# Altium PCB Driver_BLDC.PcbDoc (part 2 of 3)
Units mm, origin at the board's own origin, x right, y up, seen from the top; angles counter-clockwise.
Board outline 200.2 x 290.2 mm, 2 copper layers (Top Layer, Bottom Layer), stack 1.371 mm thick; 324 components, 136 nets, 859 pads, 323 vias.
Unrouted connection lines stored in the file: 128.
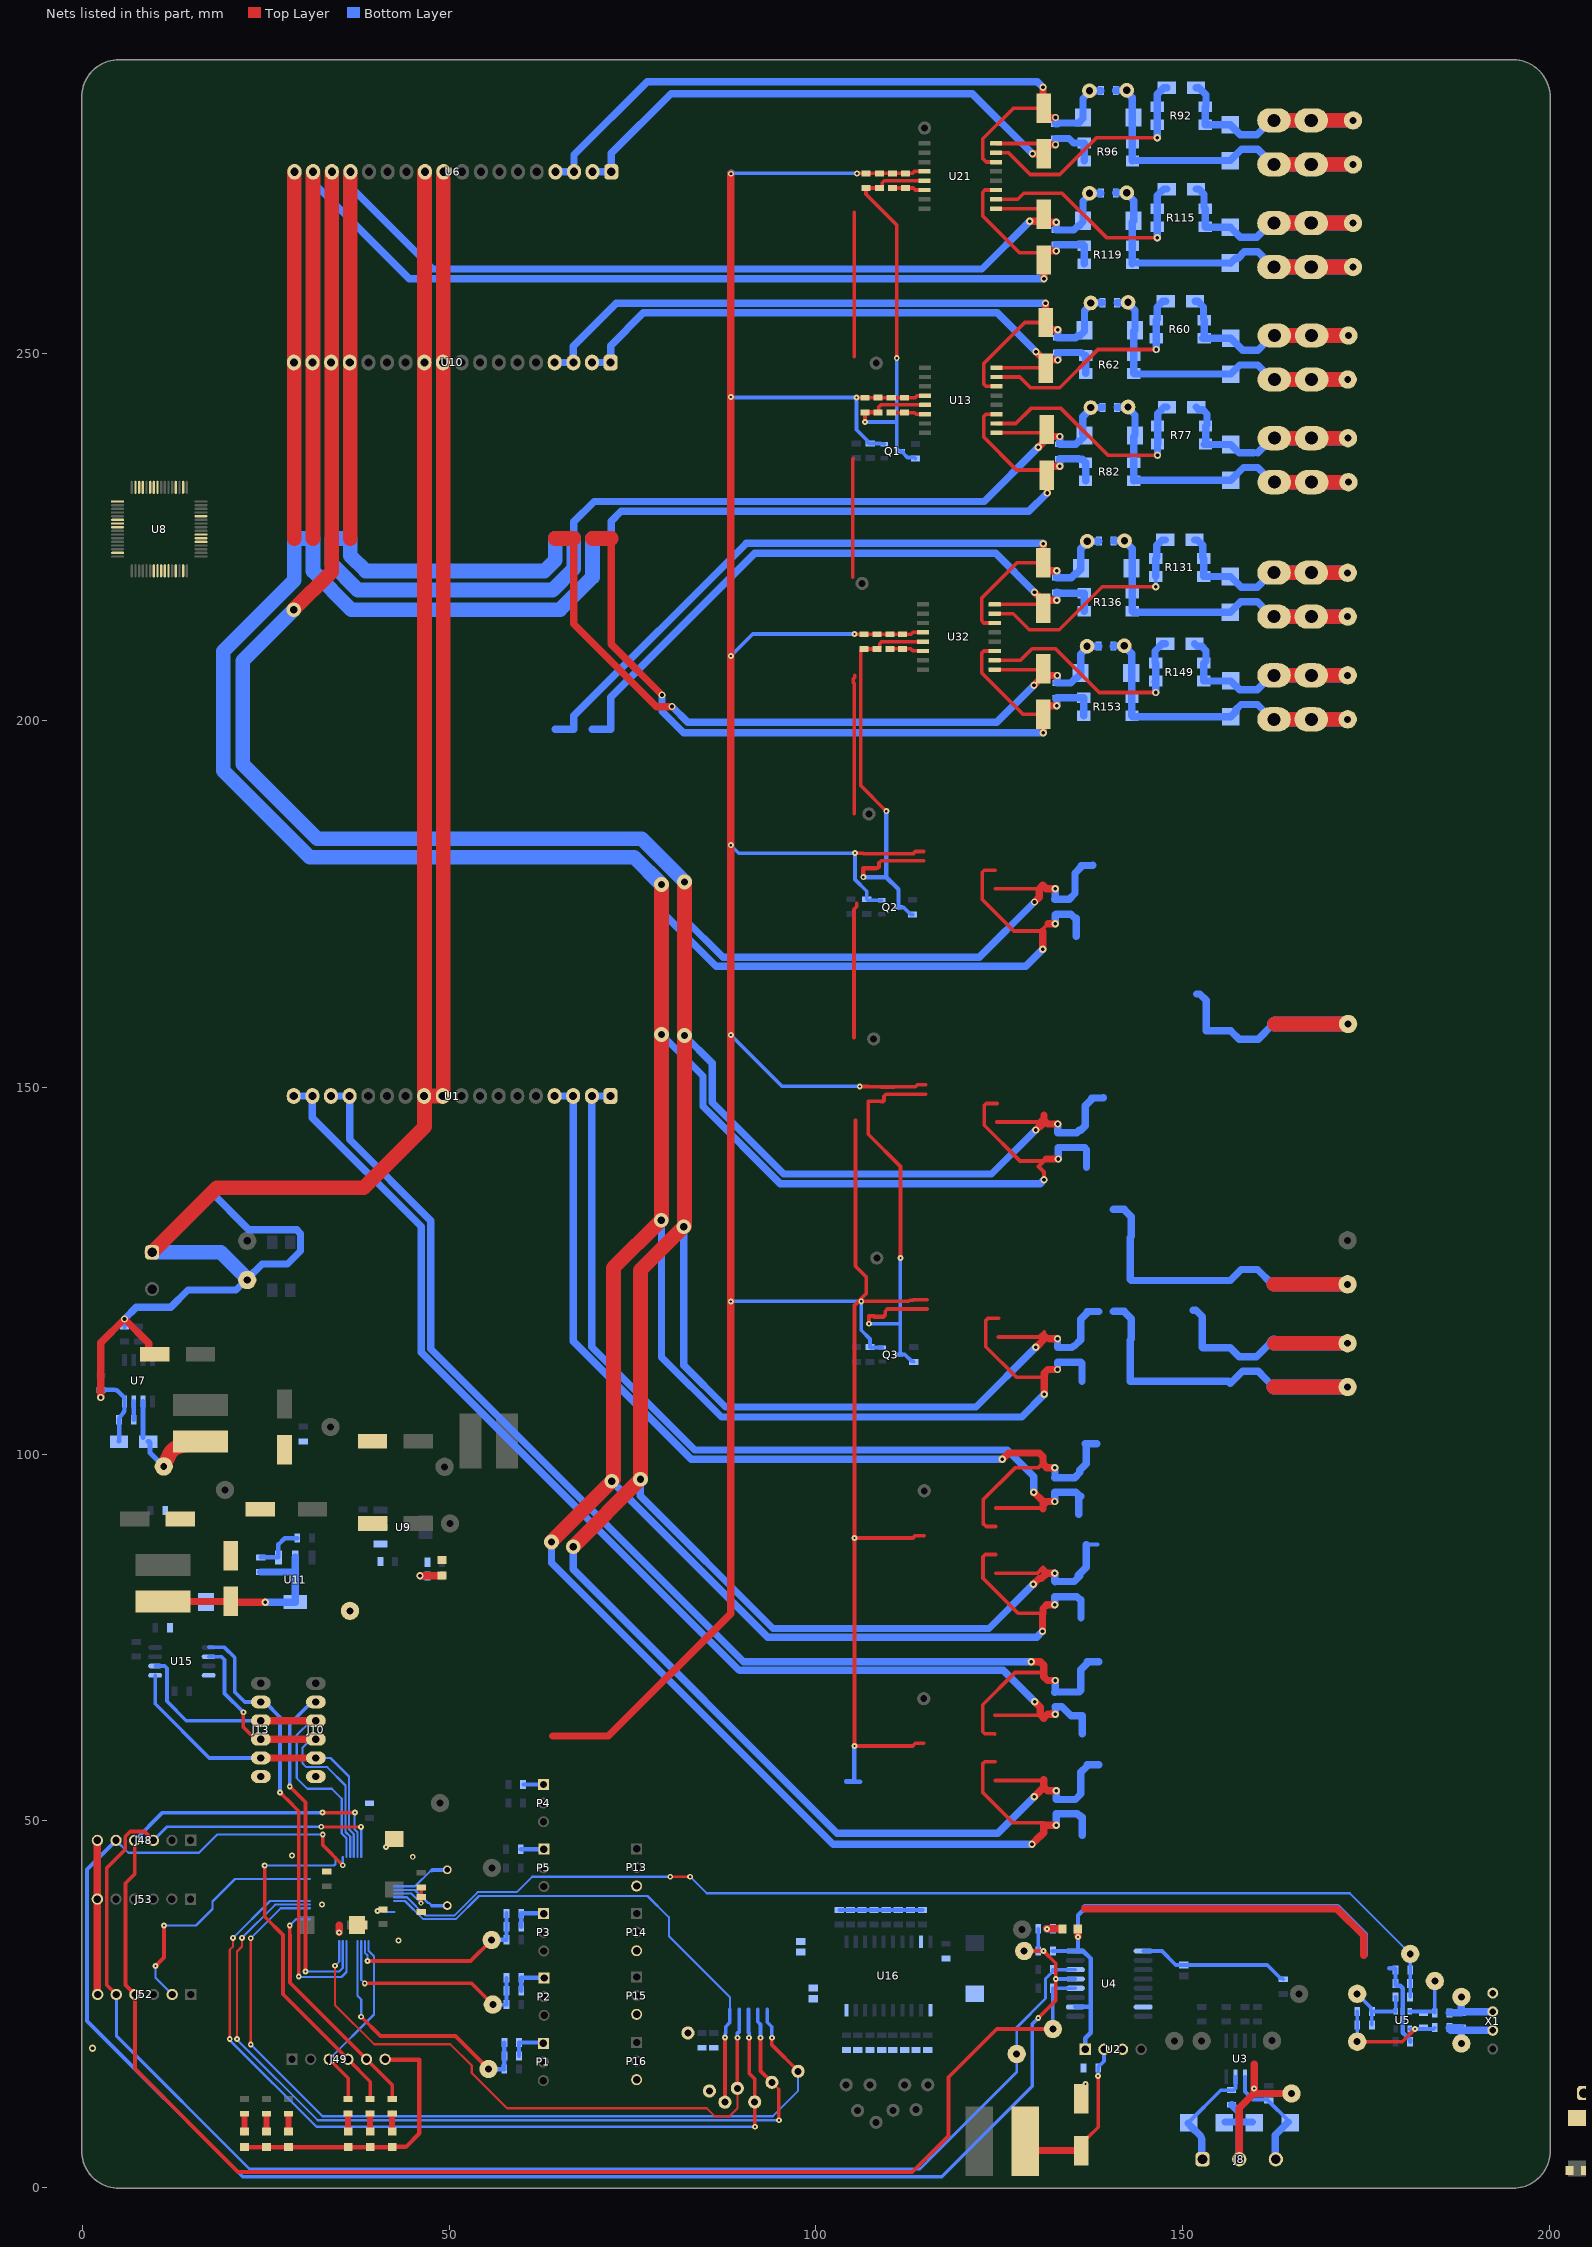
[diagram p2: the nets of this part, all layers, seen from the top]

## Via types
v1: diameter 1, hole 0.5, Top Layer to Bottom Layer, tented both sides, 118 vias
v2: diameter 0.8, hole 0.3, Top Layer to Bottom Layer, 112 vias
v3: diameter 0.8, hole 0.3, Top Layer to Bottom Layer, tented both sides, 64 vias
v4: diameter 2, hole 1, Top Layer to Bottom Layer, tented both sides, 11 vias
v5: diameter 1, hole 0.5, Top Layer to Bottom Layer, 9 vias
v6: diameter 0.8, hole 0.4, Top Layer to Bottom Layer, 5 vias
v7: diameter 0.8, hole 0.4, Top Layer to Bottom Layer, tented both sides, 2 vias
v8: diameter 0.7, hole 0.3, Top Layer to Bottom Layer, tented both sides, 1 vias
v9: diameter 1.5, hole 1, Top Layer to Bottom Layer, tented both sides, 1 vias

## Nets (pads, with @x,y where several pads share a name; then routed paths per layer and width w, separated by ;. In a path a pad name is that pad's centre, name@x,y a point inside that pad or via, vN(x,y) a via of type N, cw(c..) or ccw(c..) an arc to the next point about the centre after c; other vN are vias at no path point) (continued)
+5V_RS: C33.1 C34.2 L3.2 U2.2 | length 26.2
  Top Layer w0.5: L3.2@128.55,6.325 128.55,5.227 128.726,5.051 L3.2@130.175,3.602 ; C33.1@136.175,5.025 136.175,6.025 136.925,6.775 137.007,6.775 138.475,8.243 v3(138.475,15.2)
  Top Layer w1: L3.2@128.55,5.051 128.726,5.051 C33.1@136.175,5.051
  Bottom Layer w0.5: v3(138.475,15.2) 138.486,15.211 138.486,16.538 138.648,16.7 138.753,16.7 139.263,17.21 U2.2@139.263,18.847
+24V_1: C57.2 C58.1 R62.2 U10.1 U10.2 U13.16 | length 85.8
  Top Layer w0.5: U13.16@124.637,248.113 131.262,248.113 C58.1@131.322,248.053
  Top Layer w1: v1(130,250.3) 130.747,249.553 130.822,249.553 131.322,249.053 C58.1@131.322,248.648 ; C58.1@131.322,248.053 C58.1@131.322,248.648 ; v1(132.982,249.148) 131.822,249.148 C58.1@131.322,248.648
  Bottom Layer w1: U10.2@69.47,248.815 U10.1@72.01,248.815 72.01,251.11 76.475,255.575 124.725,255.575 v1(130,250.3) ; v1(132.982,249.148) 132.982,250.147 C57.2@132.942,250.188 136.181,250.188 136.606,249.763 R62.2@136.781,249.763 R62.2@136.781,247.313
+24V_2: C70.2 C71.1 R82.2 TP48.1 U10.17 U10.18 U13.11 | length 1067.3
  Top Layer w0.5: 124.428,179.609 122.976,179.609 122.683,179.316 122.683,175.594 126.968,171.309 130.933,171.309 130.925,171.301 ; 124.449,58.04 123.017,58.04 122.724,57.747 122.724,53.905 126.875,49.754 131.074,49.754 ; 124.519,86.31 123.077,86.31 122.784,86.017 122.784,83.086 127.563,78.307 130.954,78.307 ; 124.565,272.328 123.033,272.328 122.74,272.035 122.74,268.793 127.735,263.798 131.05,263.798 ; U13.11@124.637,241.763 123.195,241.763 122.902,241.47 122.902,238.608 127.35,234.16 130.765,234.16 C71.1@131.11,233.815 ; 124.689,147.804 123.247,147.804 122.954,147.511 122.954,144.819 127.809,139.964 131.104,139.964 ; 124.891,118.499 123.449,118.499 123.156,118.206 123.156,114.645 127.342,110.459 131.126,110.459 131.15,110.435 ; 130.938,171.569 131.683,172.314 ; v1(131.1,137.4) 131.1,138.468 130.354,139.214 131.104,139.964 ; 131.359,140.219 131.104,139.964
  Top Layer w1: 28.9,274.795 28.92,274.815 ; 31.44,274.795 31.46,274.815 ; v1(129.45,46.825) 130.505,47.88 130.574,47.88 131.074,48.38 131.074,49.38 ; v1(130.9,75.85) 130.9,78.253 130.954,78.307 130.954,78.945 131.454,79.445 v1(132.559,79.445) ; v1(130.925,168.825) 130.925,171.301 ; v1(131.1,260.225) 131.1,262.748 131.05,262.798 131.05,263.513 131.55,264.013 v1(132.77,264.013) ; C71.1@131.11,233.815 131.525,233.4 v1(131.525,231.025) ; 131.115,49.422 v1(132.764,49.422) ; 131.126,110.459 131.126,111.029 131.626,111.529 v1(132.926,111.529) ; v1(131.15,108.15) 131.15,110.435 ; 131.359,140.219 v1(133.044,140.219) ; C71.1@131.472,233.453 131.472,234.178 131.972,234.678 v1(133.262,234.678) ; 131.683,172.314 v1(132.623,172.314)
  Top Layer w2: 28.9,224.815 28.9,274.795 ; 31.44,224.815 31.44,274.795 ; v4(63.95,88.025) 63.95,88.075 v4(72.175,96.3) ; v4@72.4,96.525 72.4,125.375 v4(78.9,131.875) 78.95,131.925 v4(78.95,157.2) v4(78.95,177.65)
  Bottom Layer w0.5: 133.004,141.789 133.044,141.749 ; 136.634,141.789 136.899,141.524
  Bottom Layer w1: 31.46,274.815 31.52,274.755 31.52,273.28 44.575,260.225 v1(131.1,260.225) ; v4(63.95,88.025) 63.95,85.2 102.325,46.825 v1(129.45,46.825) ; 69.54,224.815 72.08,224.815 72.08,227.18 73.425,228.525 129.025,228.525 v1(131.525,231.025) ; v4(72.175,96.3) 93.43,75.045 130.095,75.045 v1(130.9,75.85) ; v4(78.9,131.875) 78.95,131.825 78.95,113.221 87.121,105.05 128.05,105.05 v1(131.15,108.15) ; v4(78.95,157.2) 84.6,151.55 84.6,147.4 95.125,136.875 130.575,136.875 v1(131.1,137.4) ; v4(78.95,177.65) 78.894,177.594 78.894,174.006 86.375,166.525 128.625,166.525 v1(130.925,168.825) ; v1(132.559,79.445) 132.559,80.581 ; v1(132.623,172.314) 132.623,173.554 ; 132.709,80.57 135.564,80.57 135.964,80.17 136.139,80.17 136.139,77.72 136.139,77.708 ; 132.748,173.584 134.768,173.584 135.313,173.039 135.488,173.039 135.488,170.589 ; v1@132.764,49.795 132.764,50.905 ; v1(132.77,264.013) 132.77,264.883 136.45,264.883 136.595,264.738 136.595,262.288 ; 132.774,50.975 135.619,50.975 135.899,50.695 136.074,50.695 136.299,50.47 136.299,48.02 ; v1(132.926,111.529) 132.926,112.529 136.116,112.529 136.281,112.364 136.281,109.914 ; 133.004,141.789 136.634,141.789 ; v1(133.044,140.219) 133.044,141.749 ; v1(133.262,234.678) 133.262,235.637 C70.2@133.222,235.678 135.824,235.678 135.874,235.628 136.292,235.628 R82.2@136.767,235.153 R82.2@136.767,232.703 ; 136.899,139.074 136.899,141.524
  Bottom Layer w2: 69.54,224.815 69.54,219.54 65.1,215.1 36.68,215.1 31.44,220.34 31.44,224.815 28.9,224.815 28.9,219.125 19.225,209.45 19.225,193.15 31.025,181.35 75.25,181.35 v4(78.95,177.65)
+24V_3: C86.2 C88.1 R96.2 TP50.1 U6.1 U6.2 U21.16 | length 87.4
  Top Layer w0.5: U21.16@124.565,278.678 130.24,278.678 C88.1@130.99,277.928 ; C88.1@131.05,277.26 131.05,277.773 C88.1@131.8,278.523
  Top Layer w1: v1(129.526,277.26) C88.1@131.05,277.26 ; C88.1@131.8,278.523 v1(132.66,278.523)
  Bottom Layer w0.5: v1(132.66,278.523) v1@132.67,278.532 ; C86.2@132.67,279.333 C86.2@132.68,279.343
  Bottom Layer w1: U6.2@69.56,274.815 U6.1@72.1,274.815 72.1,277.325 80.25,285.475 121.311,285.475 v1(129.526,277.26) ; v1@132.67,278.532 C86.2@132.67,279.333 ; C86.2@132.68,279.343 134.509,279.343 135.114,278.738 R96.2@136.595,278.738 R96.2@136.595,276.288
+24V_4: C102.2 C104.1 R119.2 TP53.1 U6.17 U6.18 U21.11 | length 70.5
  Top Layer w0.5: TP53.1@87.6,11.326 TP53.1@87.6,11.65 ; TP53.1@87.6,11.363 v2@87.6,20.431
  Bottom Layer w0.3: 42.507,39.076 43.975,39.076 46.451,36.6 50.9,36.6 54.061,39.761 77.043,39.761 79.955,36.849 79.955,34.295 88.27,25.98 88.27,24.275
  Bottom Layer w0.5: v2(87.62,20.451) 87.62,20.993 87.697,21.07 87.697,21.927 88.27,22.5 88.27,24.275
+24V_5: C115.2 C117.1 R136.2 TP56.1 U1.1 U1.2 U32.16 | length 255.3
  Top Layer w0.3: 130.864,92.66 130.954,92.57
  Top Layer w0.5: U32.16@124.375,215.839 130.45,215.839 130.703,215.586 C117.1@131,215.289 ; 124.519,92.66 130.864,92.66
  Top Layer w1: v1(129.675,94.8) 130.405,94.07 130.454,94.07 130.954,93.57 130.954,93.025 ; v1(129.8,217.5) 130.5,216.8 130.5,216.384 C117.1@131,215.884 ; 130.954,92.57 130.954,93.025 ; C117.1@131,215.289 C117.1@131,215.884 ; v1(132.574,93.525) 131.454,93.525 130.954,93.025 ; v1(132.83,216.384) 131.5,216.384 C117.1@131,215.884 ; 162.514,158.579 162.574,158.639
  Top Layer w2: 162.574,158.639 TP56.1@172.554,158.639
  Bottom Layer w1: 69.51,198.815 72.05,198.815 72.05,203.175 91.675,222.8 124.5,222.8 v1(129.8,217.5) ; U1.1@71.99,148.815 U1.2@69.45,148.815 69.45,114.6 83.5,100.55 126.075,100.55 129.675,96.95 v1(129.675,94.8) ; v1(132.574,93.525) 132.574,94.693 ; 132.574,94.793 135.421,94.793 135.964,94.25 136.139,94.25 ; C115.2@132.81,217.484 132.83,217.463 v1(132.83,216.384) ; C115.2@132.98,217.339 R136.2@136.585,217.339 R136.2@136.585,214.889 ; 135.839,91.8 135.839,94.373 ; 151.934,162.729 152.334,162.729 153.209,161.854 153.209,160.144 153.209,157.694 156.549,157.694 156.554,157.689 157.694,156.549 159.854,156.549 160.281,156.549 162.311,158.579 162.514,158.579
  Bottom Layer w2: 162.514,158.579 162.574,158.639 TP56.1@172.554,158.639
+24V_6: C138.2 C139.1 R153.2 TP58.1 U1.17 U1.18 U32.11 | length 397.2
  Top Layer w0.3: v2(21.075,20.25) 21.075,32.2 21.75,32.875 v2(21.75,34.05) ; TP58.1@94,14.35 94.95,13.4
  Top Layer w0.5: v2(92.441,20.433) 92.441,15.909 TP58.1@94,14.35 ; v2(94.95,9.175) 94.95,13.4 ; 124.369,64.39 124.449,64.39 130.684,64.39 131.074,64 ; U32.11@124.375,209.489 122.888,209.489 122.595,209.196 122.595,206.499 128.235,200.859 C139.1@131,200.859 130.368,200.227 C139.1@130.368,199.475
  Top Layer w1: 72.08,224.815 72.08,210.42 v1(79.025,203.475) ; v1(129.85,66.225) 130.574,65.501 130.574,64.5 130.684,64.39 131.074,64 131.074,64.039 131.574,64.539 v1(132.615,64.539) ; v1(131,198.325) C139.1@131,200.859 131,201.524 131.5,202.024 v1(132.85,202.024)
  Top Layer w2: 69.54,224.815 72.08,224.815
  Bottom Layer w0.3: v2(21.075,20.25) 21.075,20.175 32.075,9.175 v2(94.95,9.175) ; v2(21.75,34.05) 26.276,38.576 31.007,38.576
  Bottom Layer w0.5: 92.08,24.275 92.08,22.621 92.451,22.25 92.451,21.08 92.441,21.07 92.451,21.06 92.441,21.05 v2(92.441,20.433)
  Bottom Layer w1: U1.18@28.81,148.815 U1.17@31.35,148.815 31.35,145.85 46.175,131.025 46.175,113.875 89.475,70.575 89.581,70.575 89.636,70.52 125.555,70.52 v1(129.85,66.225) ; v1(79.025,203.475) 79.025,201.25 81.95,198.325 v1(131,198.325) ; v1(132.615,64.539) 132.615,65.109 ; 132.615,65.575 133.544,65.575 134.775,64.344 136.299,64.344 136.299,61.894 ; v1(132.85,202.024) C138.2@132.85,203.114 ; C138.2@132.922,203.041 132.979,203.098 R153.2@136.525,203.098 R153.2@136.525,200.648
GND: C1.1 C2.1 C3.1 C4.1 C5.2 C6.1 C7.2 C8.2 C10.2 C12.2 C13.2 C14.2 C15.2 C16.2 C17.1 C18.1 C19.2 C20.1 C21.2 C22.1 C23.2 C24.1 C25.1 C28.1 C33.2 C34.1 C36.2 C38.2 C39.2 C40.1 C41.2 C42.1 C43.2 C44.2 C45.1 C46.1 C47.2 C48.1 C49.2 C50.2 C51.2 C52.1 C53.1 C54.1 C64.1 C65.1 C97.1 C98.1 C126.1 C127.1 D1.2 D2.2 D3.2 D4.2 D5.2 D6.2 D7.2 D8.2 D9.2 D10.2 D11.2 J2.1 J9.1 J10.1 J13.1 J48.6 J49.6 J52.6 J53.6 P1.1 P2.1 P3.1 P4.1 P5.1 P13.3 P14.3 P15.3 P16.3 Q1.2 Q2.2 Q3.2 R4.2 R5.2 R6.2 R15.1 R16.1 R17.1 R18.1 R19.1 R20.1 R21.1 R29.1 R30.1 R31.1 R33.1 R34.1 R35.1 R37.1 R40.1 R42.1 R43.1 R44.1 R45.1 R52.2 R57.1 R59.1 R72.1 R73.1 R88.2 R107.1 R108.1 R113.2 R143.2 R146.1 R147.1 TP34.1 U1.10 U1.11 U2.1 U4.2 U4.8 U5.2 U6.10 U6.11 U7.4 U8.12 U8.18 U8.31 U8.47 U8.63 U9.1 U10.10 U10.11 U11.1 U13.4 U15.4 U16.1 U16.10 U16.19 U21.4 U32.4 X1.4 | length 1227
  Top Layer w0.5: 105.001,219.564 105.001,235.677 105.094,235.77 ; 105.183,156.742 105.183,174.261 105.565,174.643 105.565,175.063 ; 105.218,187.275 105.218,205.057 105.07,205.206 105.07,205.62 105.275,205.825 105.275,206.15 ; 105.225,249.589 105.225,269.275 ; v2(105.25,60.205) v2(105.25,88.555) ; v2(105.275,211.8) 105.296,211.779 106.519,211.779 C126.1@106.54,211.758 106.545,211.764 R147.1@108.315,211.764 R146.1@110.095,211.764 C127.1@111.815,211.764 ; v2(105.325,181.925) 105.348,181.902 106.44,181.902 106.463,181.879 ; 105.425,145.525 105.402,145.502 105.402,125.623 106.874,124.151 106.874,121.896 105.25,120.272 v2(105.25,88.555) ; v2(105.525,244.05) 105.544,244.031 106.684,244.031 106.693,244.022 R73.1@108.473,244.022 113.512,244.022 113.788,244.297 114.882,244.297 U13.4@114.887,244.303 ; v6(105.625,274.603) C97.1@106.847,274.603 R108.1@108.667,274.603 R107.1@110.45,274.603 C98.1@112.22,274.603 113.175,274.603 113.44,274.868 U21.4@114.815,274.868 ; v2(105.975,150.125) 105.998,150.102 107.121,150.102 107.144,150.079 108.904,150.079 108.934,150.049 110.654,150.049 110.684,150.079 112.404,150.079 113.564,150.079 113.829,150.344 114.939,150.344 ; v2(106.18,120.824) 107.238,120.824 109.065,120.824 110.868,120.824 112.645,120.824 112.795,120.974 113.248,120.974 113.313,121.039 115.141,121.039 ; 106.564,60.205 108.34,60.205 111.824,60.205 113.198,60.205 113.558,60.565 114.684,60.565 114.699,60.58 ; 106.678,181.824 113.233,181.824 113.558,182.149 114.678,182.149 ; C127.1@111.82,211.759 112.979,211.759 113.249,212.029 U32.4@114.625,212.029 ; 114.769,88.85 113.519,88.85 113.224,88.555 106.734,88.555 106.731,88.553 105.253,88.553 v2(105.25,88.555) ; C33.2@136.2,13.15 136.756,13.706 v3(136.756,14.125)
  Top Layer w0.6: 2.007,37.399 2.047,37.439 ; D3.2@22.081,5.526 D2.2@25.081,5.526 D1.2@28.081,5.526 42.206,5.526 D4.2@42.231,5.551 44.101,5.551 45.947,7.397 45.947,17.456 41.317,17.456 J49.6@41.277,17.496 ; v2(105.25,60.205) 106.564,60.205
  Top Layer w1: J48.6@2.047,47.332 2.047,37.439 2.047,26.367 J52.6@2.082,26.332 ; v1(2.52,107.709) 2.52,115.199 v1(5.74,118.419) 9.051,115.108 9.051,114.129 9.551,113.629 C38.2@9.877,113.629 ; v3(35.007,34.796) 35.007,35.798 ; 64.122,61.561 71.711,61.561 88.4,78.25 v2(88.4,120.808) v2(88.4,157.119) v2(88.4,183.013) v2(88.4,208.795) v2(88.4,244.095) v6(88.4,274.55) ; D8.2@135.693,35.267 135.733,35.227 v3(135.733,34.157) ; 136.625,38.025 171.025,38.025 174.677,34.373 174.677,31.68
  Top Layer w2: J9.1@9.5,127.5 18.329,136.329 38.36,136.329 46.65,144.619 U1.11@46.65,148.815 ; U6.11@46.65,274.815 46.65,198.815 U1.11@46.65,148.815 ; U6.10@49.19,274.815 49.19,198.815 49.19,148.815 U1.10@49.13,148.815 U1.11@46.65,148.815
  Bottom Layer w0.3: v3(40.229,37.694) 40.237,37.702 40.839,37.702 40.965,37.576 42.507,37.576
  Bottom Layer w0.5: v2(88.4,120.808) 88.416,120.824 v2(106.18,120.824) 106.18,116.895 107.37,115.705 R143.2@107.37,114.575 107.42,114.525 Q3.2@109.04,114.525 ; v2(88.4,157.119) 95.394,150.125 v2(105.975,150.125) ; v2(88.4,183.013) 89.488,181.925 v2(105.325,181.925) 105.325,178.325 106.937,176.713 R113.2@106.937,175.643 107.067,175.513 Q2.2@108.955,175.513 ; v2(88.4,208.795) 91.405,211.8 v2(105.275,211.8) ; v2(88.4,244.095) 88.445,244.05 v2(105.525,244.05) 105.525,239.66 107.04,238.145 107.04,237.92 107.19,237.77 R88.2@107.415,237.77 108.79,237.77 108.84,237.72 109.275,237.72 Q1.2@109.325,237.67 ; v6@88.453,274.603 v6(105.625,274.603) ; R33.1@103.17,37.851 R34.1@104.725,37.851 R35.1@106.27,37.851 R37.1@107.94,37.851 R42.1@109.58,37.851 R43.1@111.225,37.851 R44.1@112.915,37.851 R45.1@114.534,37.851
  Bottom Layer w0.6: v1(2.52,107.709) C41.2@2.52,108.749 4.422,108.749 cw(c4.422,108.149) 4.845,108.574 5.71,107.709 U7.4@5.735,107.184 5.735,106.053 cw(c5.135,106.053) 5.614,105.692 5.105,105.016 C36.2@5.005,104.691 5.005,101.734 D10.2@4.98,101.709 ; R57.1@5.74,117.369 v1(5.74,118.419) ; C53.1@24.31,85.919 U11.1@26.72,85.919 26.72,87.689 27.57,88.539 C54.1@29.29,88.539 ; C1.1@59.522,17.957 R4.2@59.522,19.787 62.722,19.787 P1.1@62.842,19.667 ; R30.1@59.757,46.131 P5.1@62.917,46.131 ; C3.1@59.823,35.552 R6.2@59.823,37.384 62.851,37.384 P3.1@62.893,37.342 ; C2.1@59.826,26.832 R5.2@59.826,28.62 62.89,28.62 P2.1@62.943,28.567 ; R29.1@60.187,54.961 P4.1@62.867,54.961 ; v2(105.25,60.205) 105.25,55.38 104.105,55.38 104.135,55.35 106.025,55.35 ; R40.1@132.303,32.252 U4.8@135.368,32.252 ; U4.2@135.368,24.632 137.463,24.632 ; 136.625,38.025 135.733,37.133 v3(135.733,34.157) 135.733,32.298 135.687,32.252 U4.8@135.368,32.252 ; U2.1@136.723,18.847 136.723,20.357 137.463,21.097 137.463,24.632 ; 178.182,29.918 178.919,29.918 179.019,29.818 C28.1@179.019,29.657 179.019,27.844 R52.2@179.013,27.838 179.013,27.613 179.113,27.513 179.661,27.513 180.013,27.162 U5.2@180.013,24.018 180.013,21.114 180.439,20.688 180.441,20.688 181.013,20.116 C25.1@181.013,19.891 ; U4.8@135.368,32.252 135.387,32.233 136.462,32.233 137.463,31.232 137.463,24.632
  Bottom Layer w1: v1(5.74,118.419) 7.321,120 12.025,120 14.4,122.375 20.95,122.375 22.475,123.9 24.5,125.925 27.962,125.925 29.73,127.693 29.73,130.057 29.207,130.58 22.695,130.58 17.35,135.925 ; v6(88.4,274.55) v6@88.453,274.603 ; 136.686,38.135 171.086,38.135 174.738,34.484 174.738,31.79
  Bottom Layer w2: J9.1@9.5,127.5 18.875,127.5 C47.2@22.475,123.9
  other v3: 41.375,46.425
  other v5: 1.375,19
  other v6: 32.675,38.576 45.037,45.096 28.575,45.275
  other v7: 43.104,33.67
GND_2: C9.2 J1.2 J8.2 R38.1 R41.1 TP20.1 U2.3 U3.5 U4.9 U4.15 ZD1.2 ZD2.2 | length 52.9
  Top Layer w1: J8.2@157.702,3.862 157.702,10.847 159.747,12.892 ; 159.747,16.805 v3(159.747,13.492) 159.747,12.892 ; TP20.1@164.842,12.822 159.817,12.822 159.747,12.892
  Bottom Layer w0.5: U4.9@144.618,32.252 147.172,32.252 149.07,30.354 C9.2@150.147,30.354 153.857,30.354 161.521,30.354 163.313,28.562 163.562,28.562 R38.1@163.712,28.412 ; ZD2.2@155.687,8.862 ZD2.2@155.774,8.949 ; v3(159.747,13.492) U3.5@159.747,15.097
  Bottom Layer w1: ZD2.2@155.774,8.949 157.702,8.949 ; R41.1@156.662,11.292 156.687,11.292 156.887,11.092 156.887,11.067 157.702,10.252 157.702,8.949 ; J8.2@157.702,3.862 157.702,8.949 ; ZD1.2@159.512,8.949 157.702,8.949
GND_-24V_1: C57.1 C58.2 C61.2 C62.1 TP44.1 U10.3 U10.4 U13.14 VD4.2 | length 155.7
  Top Layer w0.5: U13.14@124.637,245.573 123.195,245.573 122.902,245.865 122.902,248.716 128.461,254.276 C58.2@131.322,254.276
  Top Layer w1: v1(131.3,256.9) 131.3,254.298 C58.2@131.322,254.276 131.322,253.768 131.822,253.268 v1(132.972,253.268)
  Top Layer w2: 162.446,123.149 167.526,123.149 TP44.1@172.486,123.149
  Bottom Layer w1: U10.4@64.39,248.815 U10.3@66.93,248.815 66.93,251.03 72.8,256.9 v1(131.3,256.9) ; v1(132.972,253.268) 132.972,252.218 C57.1@132.942,252.188 135.42,252.188 135.715,252.483 136.006,252.483 136.606,253.083 C61.2@136.606,253.233 136.606,255.883 137.481,256.758 VD4.2@137.481,256.931 137.494,256.943 139.044,256.943 C62.1@139.056,256.955 ; 140.556,133.339 140.581,133.364 142.031,133.364 142.056,133.389 142.056,133.291 143.006,132.341 143.006,129.659 142.831,129.484 142.831,126.249 142.831,123.799 142.962,123.668 156.496,123.668 157.997,125.169 159.296,125.169 160.203,125.169 162.223,123.149 162.446,123.149
  Bottom Layer w2: 162.446,123.149 167.526,123.149 TP44.1@172.486,123.149
GND_-24V_2: C70.1 C71.2 C80.2 C82.1 TP49.1 U10.15 U10.16 U13.9 VD8.2 | length 1082.6
  Top Layer w0.5: 124.428,177.069 130.47,177.069 ; 124.449,55.5 130.597,55.5 ; 124.519,83.77 130.204,83.77 130.829,84.395 ; 124.565,269.788 130.49,269.788 ; U13.9@124.637,239.223 131.019,239.223 C71.2@131.472,239.676 ; 124.689,145.264 130.354,145.264 131.104,146.014 ; 124.891,115.959 130.403,115.959 131.126,116.682 131.126,116.484 ; v1(129.975,114.575) v1@130.019,114.575 ; 130.954,84.27 130.954,84.52 130.954,84.53 ; 131.126,115.682 131.126,116.484 ; 131.876,115.734 131.126,116.484
  Top Layer w1: v4(28.825,215.125) v4@28.825,215.15 ; 33.98,274.795 34,274.815 ; 36.52,274.795 36.54,274.815 ; v1(129.136,268.048) 130.686,268.048 131.05,268.413 ; v1(129.65,82.275) 130.405,83.03 130.713,83.03 131.454,83.77 v1(132.559,83.77) ; v1(129.75,53.28) 130.835,54.365 131.074,54.365 131.074,55.603 ; v1(129.79,175.254) 130.433,175.897 130.433,177.032 130.47,177.069 130.933,177.532 131.396,177.069 v1(132.623,177.069) ; v1(129.961,144.189) 130.459,144.687 130.604,144.687 131.104,145.187 131.104,146.014 131.104,146.187 ; v1@130.019,114.575 131.126,115.682 ; v1(130.329,237.278) 130.972,237.921 130.972,239.176 C71.2@131.019,239.223 ; 130.954,84.27 131.3,83.925 ; 131.05,269.021 131.05,268.413 ; 131.074,54.603 131.574,54.103 v1(132.766,54.103) ; 131.234,145.359 131.604,144.989 v1(132.974,144.989) ; C71.2@131.472,239.676 131.472,239.218 131.972,238.718 v1(133.222,238.718) ; 131.876,115.734 v1(132.926,115.734) ; v1(132.78,267.913) 131.55,267.913 131.05,268.413 ; 162.446,115.149 162.486,115.109
  Top Layer w2: v4@28.825,215.15 33.98,220.305 33.98,224.815 33.98,274.795 ; 36.52,224.815 36.52,274.795 ; v4(66.9,87.375) v4(76.075,96.55) 76.075,125.075 82.075,131.075 v4(82.075,157.075) v4(82.075,178) ; 162.486,115.109 TP49.1@172.486,115.109
  Bottom Layer w0.5: 136.839,87.66 136.851,87.673 138.401,87.673 138.414,87.685
  Bottom Layer w1: 36.54,274.815 36.54,272.76 47.75,261.55 122.637,261.55 v1(129.136,268.048) ; v4(66.9,87.375) 66.9,84.3 102.875,48.325 124.795,48.325 v1(129.75,53.28) ; 67,224.815 67,227.1 69.775,229.875 122.927,229.875 v1(130.329,237.278) ; v4(76.075,96.55) 76.068,96.543 76.068,94.307 94.15,76.225 123.6,76.225 v1(129.65,82.275) ; v4(81.975,130.975) 81.975,112.125 87.675,106.425 121.825,106.425 v1(129.975,114.575) ; v4(82.075,157.075) 85.875,153.275 85.875,147.925 95.625,138.175 123.947,138.175 v1(129.961,144.189) ; v4(82.075,178) 82.025,177.95 82.025,173.025 87.325,167.725 122.261,167.725 v1(129.79,175.254) ; v1(132.559,83.77) 132.559,82.63 132.584,82.605 ; 132.573,175.654 132.623,175.654 ; v1(132.623,177.069) 132.623,175.654 ; 132.709,82.63 135.209,82.63 135.964,83.385 135.964,83.535 ; v1(132.766,54.103) 132.766,52.923 132.774,52.915 135.384,52.915 136.124,53.655 136.124,56.607 136.999,57.482 136.999,57.65 137.011,57.663 138.561,57.663 138.574,57.675 ; v1(132.78,267.913) 132.78,266.893 132.77,266.883 135.16,266.883 135.67,267.393 135.82,267.393 136.42,267.993 136.42,268.143 136.42,270.84 137.295,271.715 137.295,271.888 137.307,271.9 138.858,271.9 138.87,271.912 ; v1(132.926,115.734) 132.926,114.529 134.901,114.529 135.106,114.734 135.256,114.734 136.106,115.584 136.106,115.734 136.106,118.381 136.981,119.256 136.981,119.424 136.993,119.436 138.543,119.436 138.556,119.449 ; v1(132.974,144.989) 132.974,143.819 133.004,143.789 135.538,143.789 135.894,144.145 136.124,144.145 136.724,144.745 136.724,147.486 137.599,148.361 137.599,148.534 137.611,148.546 139.161,148.546 139.174,148.559 ; v1(133.222,238.718) 133.222,237.678 135.402,237.678 135.842,238.118 135.992,238.118 136.592,238.718 C80.2@136.592,238.868 136.392,239.068 136.392,241.43 137.481,242.519 VD8.2@137.481,242.673 137.494,242.685 139.044,242.685 C82.1@139.056,242.697 ; 135.744,83.465 136.839,84.56 136.839,87.66 ; 137.763,180.254 137.75,180.241 136.2,180.241 136.188,180.229 136.188,180.056 135.313,179.181 135.313,176.564 135.313,176.414 134.553,175.654 132.623,175.654 ; 151.406,119.609 151.806,119.609 152.651,118.764 152.651,114.574 152.716,114.509 156.486,114.509 157.706,113.289 159.426,113.289 160.074,113.289 161.934,115.149 162.446,115.149